# KiCad board alu_ctrl.kicad_pcb
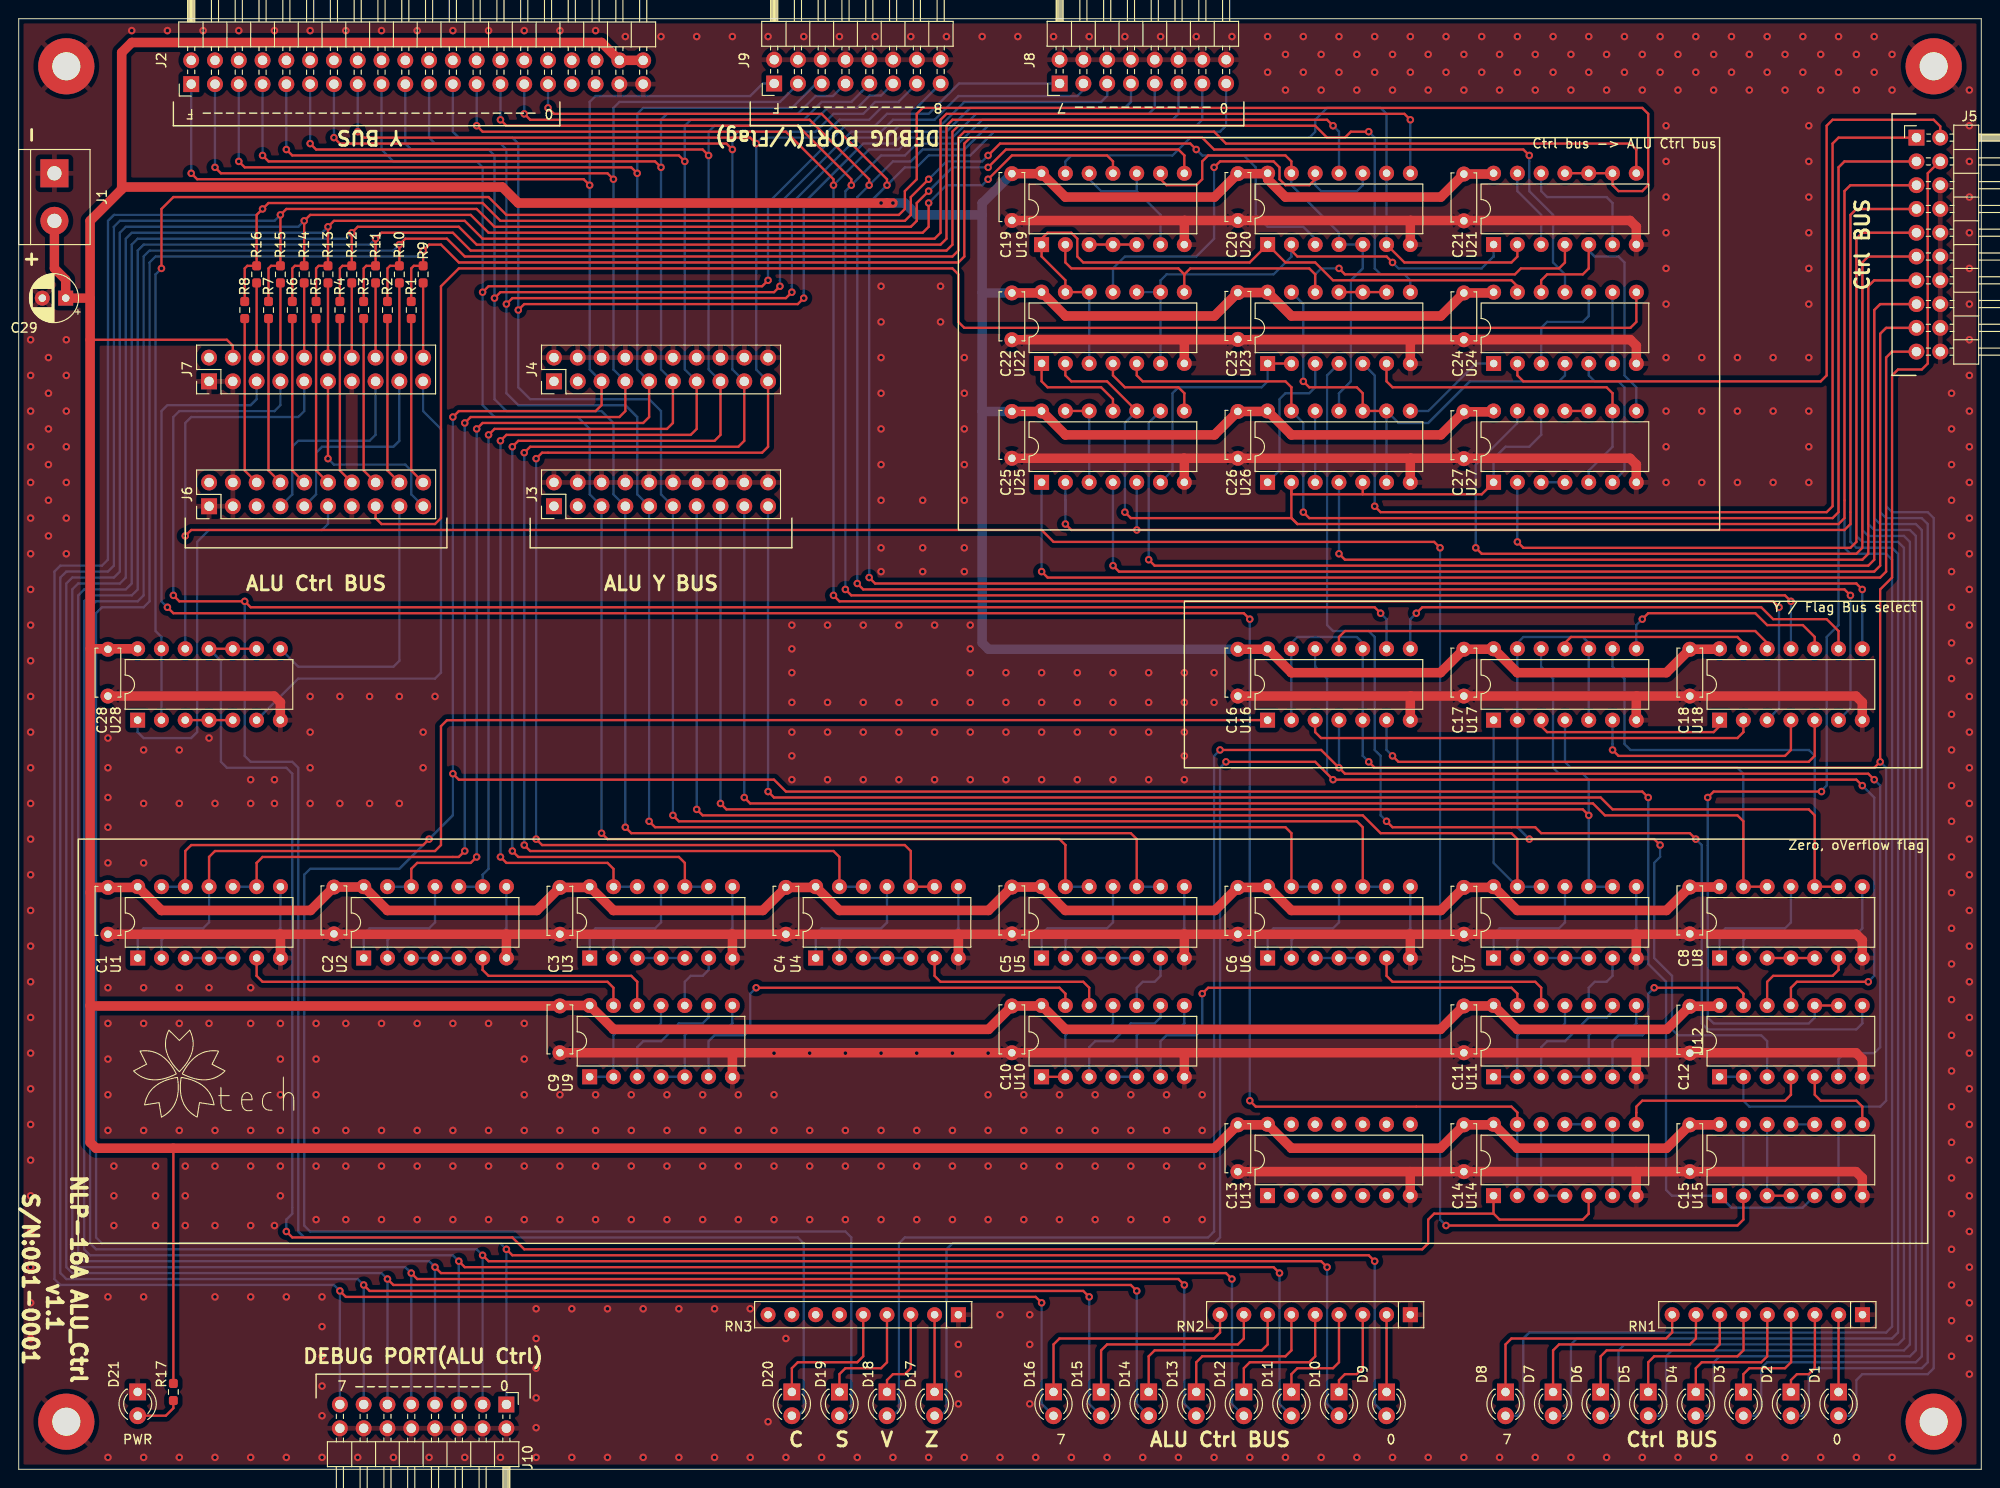
[diagram p0: board, top side]
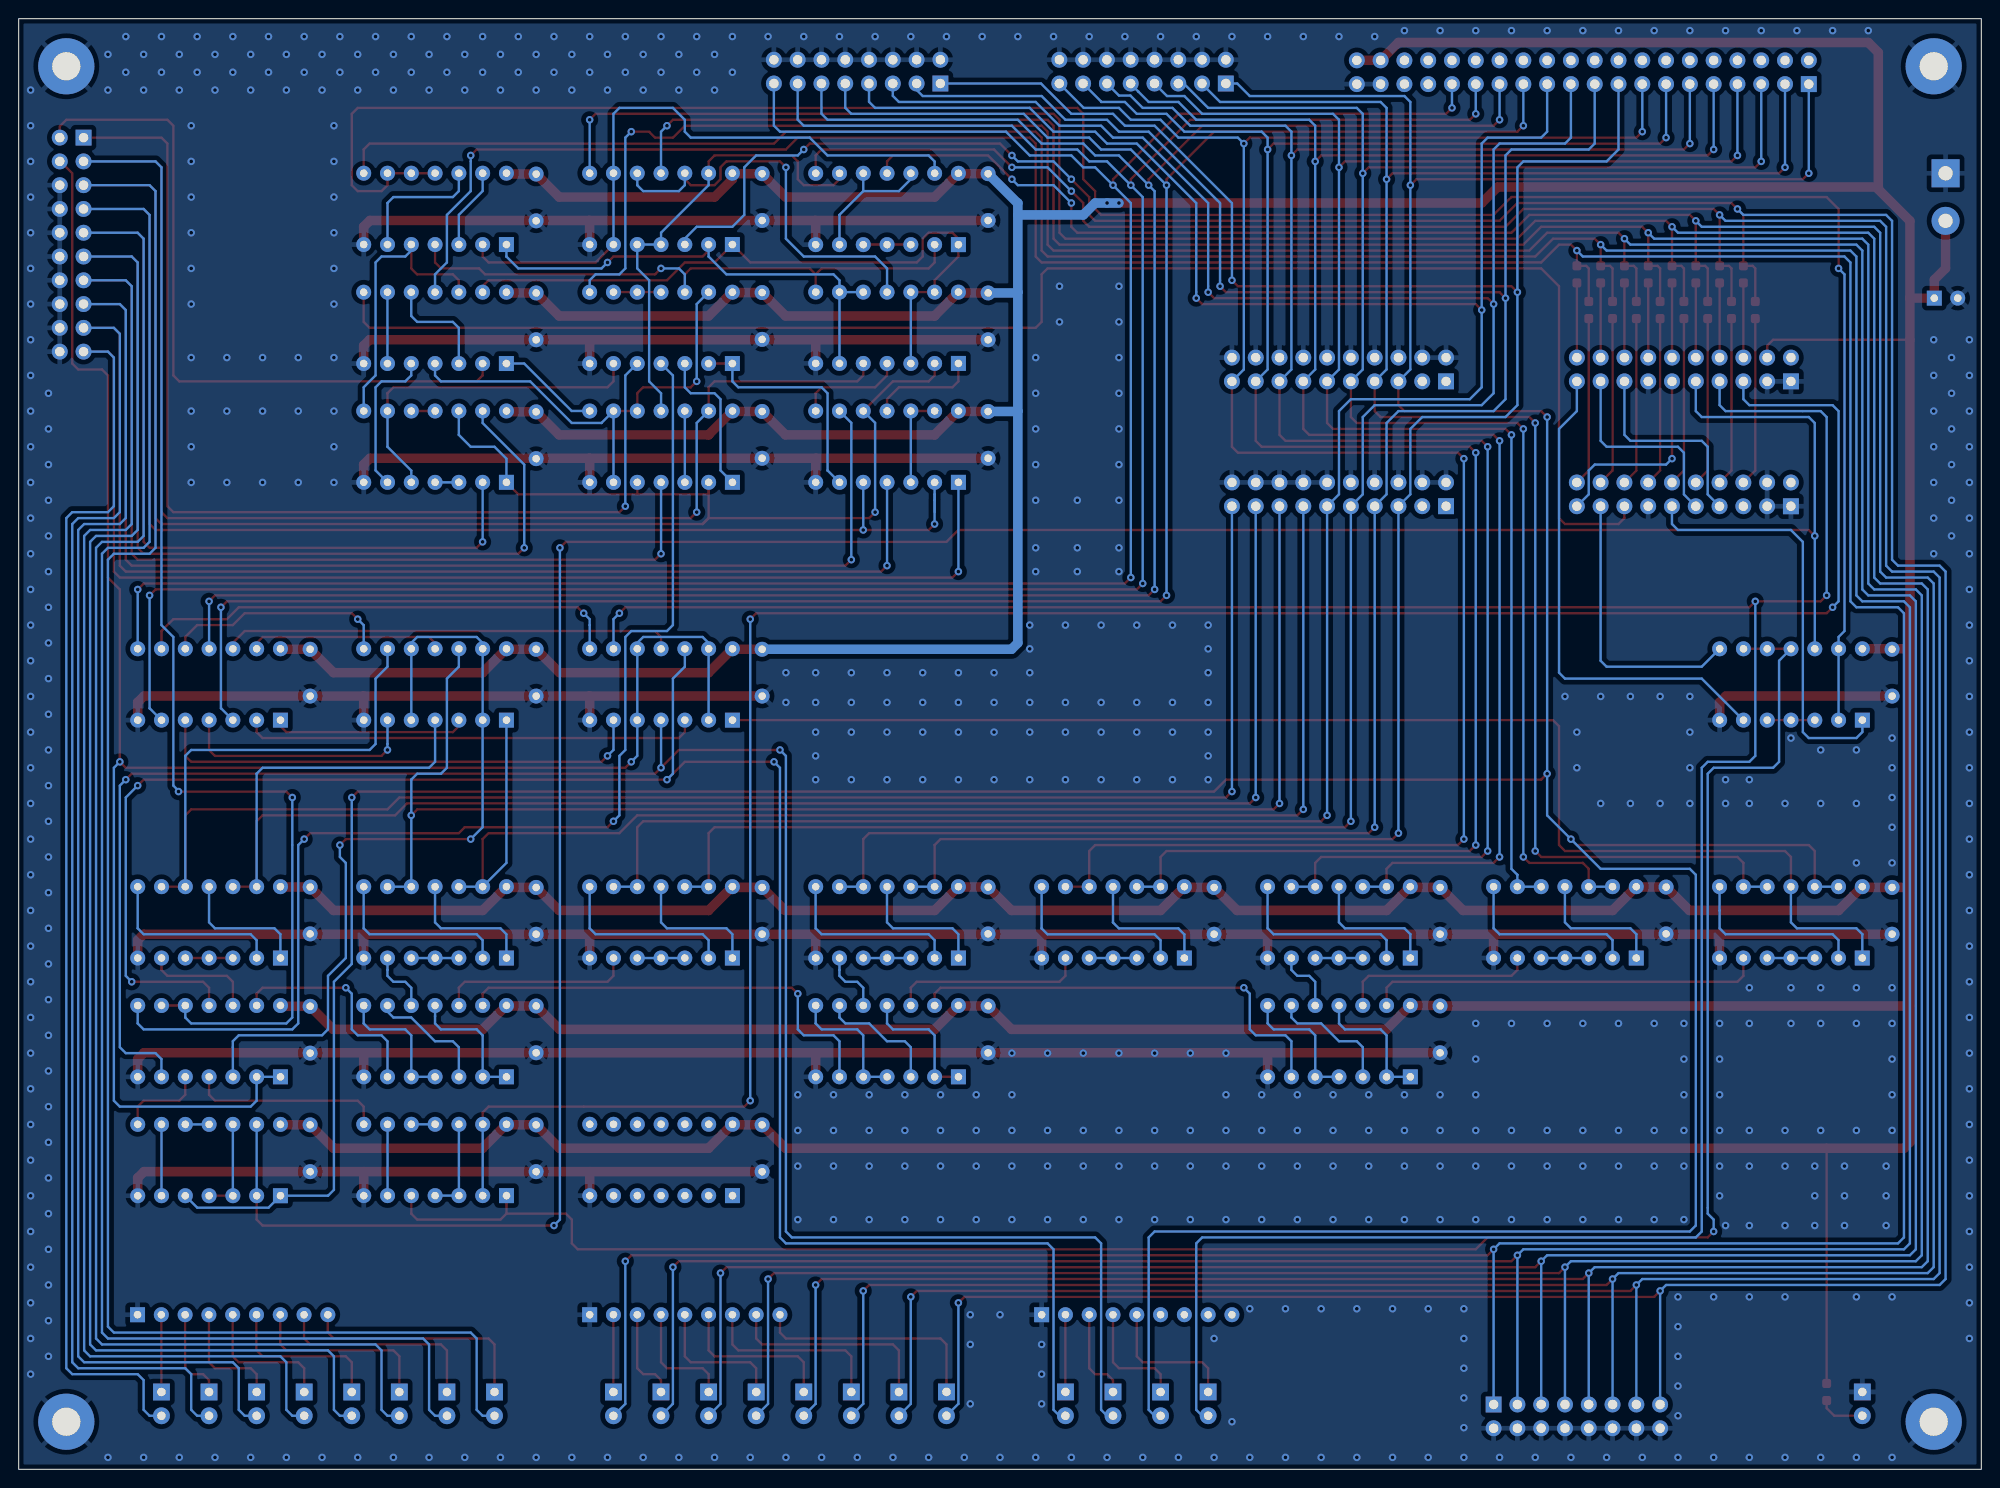
[diagram p1: board, bottom side, seen from below]

Outline 209.55 x 154.94 mm; copper layers: Top, Bottom. Coordinates in mm from the lower left corner of the outline.
Outline path: 0,154.94 0,0 209.55,0 209.55,154.94 0,154.94
Stack: Top 0.035mm / dielectric 1.51mm FR4 er 4.5 / Bottom 0.035mm

## Placement (name value [footprint] x y rotation side)
C1  0.1u  [C_Disc_D5.0mm_W2.5mm_P5.00mm]  9.52 57.15 90 top
C2  0.1u  [C_Disc_D5.0mm_W2.5mm_P5.00mm]  33.66 57.19 90 top
C3  0.1u  [C_Disc_D5.0mm_W2.5mm_P5.00mm]  57.78 57.15 90 top
C4  0.1u  [C_Disc_D5.0mm_W2.5mm_P5.00mm]  81.91 57.15 90 top
C5  0.1u  [C_Disc_D5.0mm_W2.5mm_P5.00mm]  106.05 57.19 90 top
C6  0.1u  [C_Disc_D5.0mm_W2.5mm_P5.00mm]  130.17 57.15 90 top
C7  0.1u  [C_Disc_D5.0mm_W2.5mm_P5.00mm]  154.31 57.15 90 top
C8  0.1u  [C_Disc_D5.0mm_W2.5mm_P5.00mm]  178.44 57.19 90 top
C9  0.1u  [C_Disc_D5.0mm_W2.5mm_P5.00mm]  57.78 44.49 90 top
C10  0.1u  [C_Disc_D5.0mm_W2.5mm_P5.00mm]  106.05 44.49 90 top
C11  0.1u  [C_Disc_D5.0mm_W2.5mm_P5.00mm]  154.31 44.49 90 top
C12  0.1u  [C_Disc_D5.0mm_W2.5mm_P5.00mm]  178.44 44.45 90 top
C13  0.1u  [C_Disc_D5.0mm_W2.5mm_P5.00mm]  130.17 31.79 90 top
C14  0.1u  [C_Disc_D5.0mm_W2.5mm_P5.00mm]  154.31 31.79 90 top
C15  0.1u  [C_Disc_D5.0mm_W2.5mm_P5.00mm]  178.44 31.79 90 top
C16  0.1u  [C_Disc_D5.0mm_W2.5mm_P5.00mm]  130.17 82.59 90 top
C17  0.1u  [C_Disc_D5.0mm_W2.5mm_P5.00mm]  154.31 82.59 90 top
C18  0.1u  [C_Disc_D5.0mm_W2.5mm_P5.00mm]  178.44 82.59 90 top
C19  0.1u  [C_Disc_D5.0mm_W2.5mm_P5.00mm]  106.05 133.39 90 top
C20  0.1u  [C_Disc_D5.0mm_W2.5mm_P5.00mm]  130.17 133.39 90 top
C21  0.1u  [C_Disc_D5.0mm_W2.5mm_P5.00mm]  154.31 133.35 90 top
C22  0.1u  [C_Disc_D5.0mm_W2.5mm_P5.00mm]  106.05 120.65 90 top
C23  0.1u  [C_Disc_D5.0mm_W2.5mm_P5.00mm]  130.17 120.69 90 top
C24  0.1u  [C_Disc_D5.0mm_W2.5mm_P5.00mm]  154.31 120.65 90 top
C25  0.1u  [C_Disc_D5.0mm_W2.5mm_P5.00mm]  106.05 107.99 90 top
C26  0.1u  [C_Disc_D5.0mm_W2.5mm_P5.00mm]  130.17 107.99 90 top
C27  0.1u  [C_Disc_D5.0mm_W2.5mm_P5.00mm]  154.31 107.95 90 top
C28  0.1u  [C_Disc_D5.0mm_W2.5mm_P5.00mm]  9.52 82.59 90 top
C29  100u  [CP_Radial_D5.0mm_P2.50mm]  5.02 125.09 180 top
D1  LED  [LED_D3.0mm]  194.31 8.25 270 top
D2  LED  [LED_D3.0mm]  189.23 8.25 270 top
D3  LED  [LED_D3.0mm]  184.15 8.25 270 top
D4  LED  [LED_D3.0mm]  179.07 8.25 270 top
D5  LED  [LED_D3.0mm]  173.99 8.25 270 top
D6  LED  [LED_D3.0mm]  168.91 8.25 270 top
D7  LED  [LED_D3.0mm]  163.83 8.25 270 top
D8  LED  [LED_D3.0mm]  158.75 8.25 270 top
D9  LED  [LED_D3.0mm]  146.05 8.25 270 top
D10  LED  [LED_D3.0mm]  140.97 8.26 270 top
D11  LED  [LED_D3.0mm]  135.89 8.25 270 top
D12  LED  [LED_D3.0mm]  130.81 8.25 270 top
D13  LED  [LED_D3.0mm]  125.73 8.26 270 top
D14  LED  [LED_D3.0mm]  120.65 8.26 270 top
D15  LED  [LED_D3.0mm]  115.57 8.25 270 top
D16  LED  [LED_D3.0mm]  110.49 8.26 270 top
D17  LED  [LED_D3.0mm]  97.79 8.26 270 top
D18  LED  [LED_D3.0mm]  92.71 8.26 270 top
D19  LED  [LED_D3.0mm]  87.63 8.25 270 top
D20  LED  [LED_D3.0mm]  82.55 8.26 270 top
D21  LED  [LED_D3.0mm]  12.7 8.26 270 top
G***  -  [LOGO]  21.59 41.91 0 top
H1  MountingHole_Pad  [MountingHole_3mm_Pad]  5.08 149.86 0 top
H2  MountingHole_Pad  [MountingHole_3mm_Pad]  204.47 149.86 0 top
H3  MountingHole_Pad  [MountingHole_3mm_Pad]  5.08 5.08 0 top
H4  MountingHole_Pad  [MountingHole_3mm_Pad]  204.47 5.08 0 top
J1  Screw_Terminal_01x02  [TerminalBlock_bornier-2_P5.08mm]  3.81 138.43 270 top
J2  Conn_02x20_Odd_Even  [PinHeader_2x20_P2.54mm_Horizontal]  18.42 147.95 90 top
J3  Conn_02x10_Counter_Clockwise  [PinHeader_2x10_P2.54mm_Vertical]  57.15 102.87 90 top
J4  Conn_02x10_Counter_Clockwise  [PinHeader_2x10_P2.54mm_Vertical]  57.15 116.2 90 top
J5  Conn_02x10_Counter_Clockwise  [PinHeader_2x10_P2.54mm_Horizontal]  202.63 142.24 0 top
J6  Conn_02x10_Counter_Clockwise  [PinHeader_2x10_P2.54mm_Vertical]  20.32 102.86 90 top
J7  Conn_02x10_Counter_Clockwise  [PinHeader_2x10_P2.54mm_Vertical]  20.32 116.2 90 top
J8  Conn_02x08_Odd_Even  [PinHeader_2x08_P2.54mm_Horizontal]  111.14 148.02 90 top
J9  Conn_02x08_Odd_Even  [PinHeader_2x08_P2.54mm_Horizontal]  80.66 148.02 90 top
J10  Conn_02x08_Odd_Even  [PinHeader_2x08_P2.54mm_Horizontal]  52.07 6.92 270 top
R1  22  [R_0603_1608Metric_Pad0.98x0.95mm_HandSolder]  41.91 123.82 90 top
R2  22  [R_0603_1608Metric_Pad0.98x0.95mm_HandSolder]  39.37 123.82 90 top
R3  22  [R_0603_1608Metric_Pad0.98x0.95mm_HandSolder]  36.83 123.82 90 top
R4  22  [R_0603_1608Metric_Pad0.98x0.95mm_HandSolder]  34.29 123.82 90 top
R5  22  [R_0603_1608Metric_Pad0.98x0.95mm_HandSolder]  31.75 123.82 90 top
R6  22  [R_0603_1608Metric_Pad0.98x0.95mm_HandSolder]  29.21 123.82 90 top
R7  22  [R_0603_1608Metric_Pad0.98x0.95mm_HandSolder]  26.67 123.82 90 top
R8  22  [R_0603_1608Metric_Pad0.98x0.95mm_HandSolder]  24.13 123.82 90 top
R9  22  [R_0603_1608Metric_Pad0.98x0.95mm_HandSolder]  43.18 127.63 90 top
R10  22  [R_0603_1608Metric_Pad0.98x0.95mm_HandSolder]  40.64 127.63 90 top
R11  22  [R_0603_1608Metric_Pad0.98x0.95mm_HandSolder]  38.1 127.63 90 top
R12  22  [R_0603_1608Metric_Pad0.98x0.95mm_HandSolder]  35.56 127.63 90 top
R13  22  [R_0603_1608Metric_Pad0.98x0.95mm_HandSolder]  33.02 127.63 90 top
R14  22  [R_0603_1608Metric_Pad0.98x0.95mm_HandSolder]  30.48 127.63 90 top
R15  22  [R_0603_1608Metric_Pad0.98x0.95mm_HandSolder]  27.94 127.63 90 top
R16  22  [R_0603_1608Metric_Pad0.98x0.95mm_HandSolder]  25.4 127.63 90 top
R17  470  [R_0603_1608Metric_Pad0.98x0.95mm_HandSolder]  16.51 8.25 270 top
RN1  R_Network08  [R_Array_SIP9]  196.87 16.51 180 top
RN2  R_Network08  [R_Array_SIP9]  148.59 16.51 180 top
RN3  R_Network08  [R_Array_SIP9]  100.33 16.51 180 top
U1  CD74HC00  [DIP-14_W7.62mm]  12.71 54.61 90 top
U2  CD74HC00  [DIP-14_W7.62mm]  36.83 54.61 90 top
U3  CD74HC00  [DIP-14_W7.62mm]  60.97 54.61 90 top
U4  CD74HC00  [DIP-14_W7.62mm]  85.09 54.61 90 top
U5  CD74HC00  [DIP-14_W7.62mm]  109.22 54.61 90 top
U6  CD74HC00  [DIP-14_W7.62mm]  133.35 54.61 90 top
U7  CD74HC00  [DIP-14_W7.62mm]  157.47 54.61 90 top
U8  CD74HC00  [DIP-14_W7.62mm]  181.6 54.61 90 top
U9  CD74HC00  [DIP-14_W7.62mm]  60.96 41.92 90 top
U10  CD74HC00  [DIP-14_W7.62mm]  109.22 41.92 90 top
U11  CD74HC00  [DIP-14_W7.62mm]  157.47 41.92 90 top
U12  CD74HC00  [DIP-14_W7.62mm]  181.6 41.92 90 top
U13  CD74HC00  [DIP-14_W7.62mm]  133.34 29.23 90 top
U14  CD74HC00  [DIP-14_W7.62mm]  157.47 29.23 90 top
U15  CD74HC00  [DIP-14_W7.62mm]  181.6 29.22 90 top
U16  CD74HC00  [DIP-14_W7.62mm]  133.34 80.02 90 top
U17  CD74HC00  [DIP-14_W7.62mm]  157.47 80.02 90 top
U18  CD74HC00  [DIP-14_W7.62mm]  181.6 80.02 90 top
U19  CD74HC00  [DIP-14_W7.62mm]  109.22 130.81 90 top
U20  CD74HC00  [DIP-14_W7.62mm]  133.35 130.82 90 top
U21  CD74HC00  [DIP-14_W7.62mm]  157.47 130.82 90 top
U22  CD74HC00  [DIP-14_W7.62mm]  109.22 118.12 90 top
U23  CD74HC00  [DIP-14_W7.62mm]  133.35 118.11 90 top
U24  CD74HC00  [DIP-14_W7.62mm]  157.48 118.11 90 top
U25  CD74HC00  [DIP-14_W7.62mm]  109.22 105.42 90 top
U26  CD74HC00  [DIP-14_W7.62mm]  133.34 105.42 90 top
U27  CD74HC00  [DIP-14_W7.62mm]  157.47 105.42 90 top
U28  CD74HC00  [DIP-14_W7.62mm]  12.69 80.02 90 top

## Footprints (pads in the part's own frame, mm; a bottom-side part is the same pattern mirrored in y, then rotated)
C_Disc_D5.0mm_W2.5mm_P5.00mm
  round 1.6 hole 0.8: 1(0,0) 2(5,0)
CP_Radial_D5.0mm_P2.50mm
  rect 1.6x1.6 hole 0.8: 1(0,0)
  round 1.6 hole 0.8: 2(2.5,0)
DIP-14_W7.62mm
  rect 1.6x1.6 hole 0.8: 1(0,0)
  oval 1.6x1.6 hole 0.8: 2(0,-2.54) 3(0,-5.08) 4(0,-7.62) 5(0,-10.16) 6(0,-12.7) 7(0,-15.24) 8(7.62,-15.24) 9(7.62,-12.7) 10(7.62,-10.16) 11(7.62,-7.62) 12(7.62,-5.08) 13(7.62,-2.54) 14(7.62,0)
LED_D3.0mm
  rect 1.8x1.8 hole 0.9: 1(0,0)
  round 1.8 hole 0.9: 2(2.54,0)
MountingHole_3mm_Pad
  round 6 hole 3: 1(0,0)
PinHeader_2x08_P2.54mm_Horizontal
  rect 1.7x1.7 hole 1: 1(0,0)
  oval 1.7x1.7 hole 1: 2(2.54,0) 3(0,-2.54) 4(2.54,-2.54) 5(0,-5.08) 6(2.54,-5.08) 7(0,-7.62) 8(2.54,-7.62) 9(0,-10.16) 10(2.54,-10.16) 11(0,-12.7) 12(2.54,-12.7) 13(0,-15.24) 14(2.54,-15.24) 15(0,-17.78) 16(2.54,-17.78)
PinHeader_2x10_P2.54mm_Horizontal
  rect 1.7x1.7 hole 1: 1(0,0)
  oval 1.7x1.7 hole 1: 2(2.54,0) 3(0,-2.54) 4(2.54,-2.54) 5(0,-5.08) 6(2.54,-5.08) 7(0,-7.62) 8(2.54,-7.62) 9(0,-10.16) 10(2.54,-10.16) 11(0,-12.7) 12(2.54,-12.7) 13(0,-15.24) 14(2.54,-15.24) 15(0,-17.78) 16(2.54,-17.78) 17(0,-20.32) 18(2.54,-20.32) 19(0,-22.86) 20(2.54,-22.86)
PinHeader_2x10_P2.54mm_Vertical
  rect 1.7x1.7 hole 1: 1(0,0)
  oval 1.7x1.7 hole 1: 2(2.54,0) 3(0,-2.54) 4(2.54,-2.54) 5(0,-5.08) 6(2.54,-5.08) 7(0,-7.62) 8(2.54,-7.62) 9(0,-10.16) 10(2.54,-10.16) 11(0,-12.7) 12(2.54,-12.7) 13(0,-15.24) 14(2.54,-15.24) 15(0,-17.78) 16(2.54,-17.78) 17(0,-20.32) 18(2.54,-20.32) 19(0,-22.86) 20(2.54,-22.86)
PinHeader_2x20_P2.54mm_Horizontal
  rect 1.7x1.7 hole 1: 1(0,0)
  oval 1.7x1.7 hole 1: 2(2.54,0) 3(0,-2.54) 4(2.54,-2.54) 5(0,-5.08) 6(2.54,-5.08) 7(0,-7.62) 8(2.54,-7.62) 9(0,-10.16) 10(2.54,-10.16) 11(0,-12.7) 12(2.54,-12.7) 13(0,-15.24) 14(2.54,-15.24) 15(0,-17.78) 16(2.54,-17.78) 17(0,-20.32) 18(2.54,-20.32) 19(0,-22.86) 20(2.54,-22.86) 21(0,-25.4) 22(2.54,-25.4) 23(0,-27.94) 24(2.54,-27.94) 25(0,-30.48) 26(2.54,-30.48) 27(0,-33.02) 28(2.54,-33.02) 29(0,-35.56) 30(2.54,-35.56) 31(0,-38.1) 32(2.54,-38.1) 33(0,-40.64) 34(2.54,-40.64) 35(0,-43.18) 36(2.54,-43.18) 37(0,-45.72) 38(2.54,-45.72) 39(0,-48.26) 40(2.54,-48.26)
R_0603_1608Metric_Pad0.98x0.95mm_HandSolder
  rrect 0.975x0.95 smd: 1(-0.912,0) 2(0.912,0)
R_Array_SIP9
  rect 1.6x1.6 hole 0.8: 1(0,0)
  oval 1.6x1.6 hole 0.8: 2(2.54,0) 3(5.08,0) 4(7.62,0) 5(10.16,0) 6(12.7,0) 7(15.24,0) 8(17.78,0) 9(20.32,0)
TerminalBlock_bornier-2_P5.08mm
  rect 3x3 hole 1.52: 1(0,0)
  round 3 hole 1.52: 2(5.08,0)

## Nets
GND: C1.1 C2.1 C3.1 C4.1 C5.1 C6.1 C7.1 C8.1 C9.1 C10.1 C11.1 C12.1 C13.1 C14.1 C15.1 C16.1 C17.1 C18.1 C19.1 C20.1 C21.1 C22.1 C23.1 C24.1 C25.1 C26.1 C27.1 C28.1 C29.2 D21.1 H1.1 H2.1 H3.1 H4.1 J1.1 J2.37 J2.39 J3.2 J3.4 J3.6 J3.8 J3.10 J3.12 J3.14 J3.16 J3.18 J3.20 J4.2 J4.4 J4.6 J4.8 J4.10 J4.12 J4.14 J4.16 J4.18 J4.20 J5.6 J5.8 J5.10 J5.12 J5.14 J5.16 J5.18 J5.20 J6.1 J6.3 J6.4 J6.13 J7.1 J7.3 J7.13 J8.2 J8.4 J8.6 J8.8 J8.10 J8.12 J8.14 J8.16 J9.2 J9.4 J9.6 J9.8 J9.10 J9.12 J9.14 J9.16 J10.2 J10.4 J10.6 J10.8 J10.10 J10.12 J10.14 J10.16 RN1.1 RN2.1 RN3.1 U1.7 U2.7 U3.7 U4.7 U5.7 U6.7 U7.7 U8.7 U9.7 U10.7 U11.7 U12.7 U13.7 U14.7 U15.7 U16.7 U17.7 U18.7 U19.7 U20.7 U21.7 U22.7 U23.7 U24.7 U25.7 U26.7 U27.7 U28.7
VCC: C1.2 C2.2 C3.2 C4.2 C5.2 C6.2 C7.2 C8.2 C9.2 C10.2 C11.2 C12.2 C13.2 C14.2 C15.2 C16.2 C17.2 C18.2 C19.2 C20.2 C21.2 C22.2 C23.2 C24.2 C25.2 C26.2 C27.2 C28.2 C29.1 J1.2 J2.38 J2.40 J7.4 R17.1 U1.14 U2.14 U3.14 U4.14 U5.14 U6.14 U7.14 U8.14 U9.14 U10.14 U11.14 U12.14 U13.14 U14.14 U15.14 U16.14 U17.14 U18.14 U19.14 U20.14 U21.14 U22.14 U23.14 U24.14 U25.14 U26.14 U27.14 U28.14
ADD/SUB: D9.2 J10.1 R1.2 R9.2 U24.11
ALU_Ctrl1: D10.2 J10.3 R2.2 R10.2 U21.8
ALU_Ctrl2: D11.2 J10.5 R3.2 R11.2 U23.8
ALU_Ctrl3: D12.2 J10.7 R4.2 R12.2 U20.11
ALU_Ctrl4: D13.2 J10.9 R5.2 R13.2 U20.8
ALU_Ctrl5: D14.2 J10.11 R6.2 R14.2 U19.11
ALU_Ctrl6: D15.2 J10.13 R7.2 R15.2 U19.8
ALU_Ctrl7: D16.2 J10.15 R8.2 R16.2 U20.3
B_SIGN: J7.5 U14.2 U14.13
C: D20.2 J7.7 U16.9
C0: U20.10 U20.12 U22.11
C1: U20.2 U21.1 U22.6 U22.9 U22.10
C2: U19.9 U20.4 U20.5 U20.13 U26.11
C3: U24.1 U26.8
C4: U21.5 U24.12 U27.8
C5: U24.5 U27.6
carry_flag: J5.2 U24.2
Cin: J6.15 U24.8
Ctrl0: D1.2 J5.19 U25.1
Ctrl1: D2.2 J5.17 U25.4
Ctrl2: D3.2 J5.15 U25.9
Ctrl3: D4.2 J5.13 U26.4
Ctrl4: D5.2 J5.11 U27.13
Ctrl5: D6.2 J5.9 U27.2
Ctrl6: D7.2 J5.7 U25.2 U25.5
Ctrl7: D8.2 J5.5 U22.2 U25.10 U26.2 U26.5 U27.1 U27.12
Ctrl8: J5.3 U12.9 U12.10 U22.5 U26.13
Ctrl9: J5.1 U23.5
Lin: J6.17 U28.8
Lout/A_sign: J7.9 U15.2 U15.13 U28.12
Rin: J7.19 U28.6
ROLL: U21.9 U21.10 U21.11 U28.2 U28.13
Rout: J6.11 U28.1
V: D18.2 U12.6 U16.4
Y_BUS0: J3.19 U8.9 U8.10 U17.9
Y_BUS1: J3.17 U8.12 U8.13 U17.4
Y_BUS2: J3.15 U7.9 U7.10 U17.12
Y_BUS3: J3.13 U7.12 U7.13 U17.1
Y_BUS4: J2.23 J3.11 J8.7 U6.9 U6.10
Y_BUS5: J2.21 J3.9 J8.5 U6.12 U6.13
Y_BUS6: J2.19 J3.7 J8.3 U5.9 U5.10
Y_BUS7: J2.17 J3.5 J8.1 U5.12 U5.13
Y_BUS8: J2.15 J4.19 J9.15 U4.9 U4.10
Y_BUS9: J2.13 J4.17 J9.13 U4.12 U4.13
Y_BUS10: J2.11 J4.15 J9.11 U3.9 U3.10
Y_BUS11: J2.9 J4.13 J9.9 U3.12 U3.13
Y_BUS12: J2.7 J4.11 J9.7 U2.9 U2.10
Y_BUS13: J2.5 J4.9 J9.5 U2.12 U2.13
Y_BUS14: J2.3 J4.7 J9.3 U1.9 U1.10
Y_BUS15: D19.2 J2.1 J4.5 J9.1 U1.12 U1.13 U15.1 U15.5
Y_Flag_BUS0: J2.31 J8.15 U18.8
Y_Flag_BUS1: J2.29 J8.13 U18.6
Y_Flag_BUS2: J2.27 J8.11 U18.11
Y_Flag_BUS3: J2.25 J8.9 U18.3
Y_Flag_sel: J5.4 U12.1 U12.2 U16.2 U16.5 U16.10 U16.13
Z: D17.2 U12.11 U16.12
~{A_sign}: U14.1 U14.5 U28.9 U28.10 U28.11
~{C0}: U19.1 U20.1 U22.3 U22.12 U22.13 U24.13
~{C1}: U19.2 U21.4 U22.8 U23.12
~{C2}: U19.13 U20.6 U20.9 U21.2
~{C3}: U23.13 U24.4 U26.6 U26.9 U26.10
Net-(D1-Pad1): D1.1 RN1.2
Net-(D2-Pad1): D2.1 RN1.3
Net-(D3-Pad1): D3.1 RN1.4
Net-(D4-Pad1): D4.1 RN1.5
Net-(D5-Pad1): D5.1 RN1.6
Net-(D6-Pad1): D6.1 RN1.7
Net-(D7-Pad1): D7.1 RN1.8
Net-(D8-Pad1): D8.1 RN1.9
Net-(D9-Pad1): D9.1 RN2.2
Net-(D10-Pad1): D10.1 RN2.3
Net-(D11-Pad1): D11.1 RN2.4
Net-(D12-Pad1): D12.1 RN2.5
Net-(D13-Pad1): D13.1 RN2.6
Net-(D14-Pad1): D14.1 RN2.7
Net-(D15-Pad1): D15.1 RN2.8
Net-(D16-Pad1): D16.1 RN2.9
Net-(D17-Pad1): D17.1 RN3.2
Net-(D18-Pad1): D18.1 RN3.3
Net-(D19-Pad1): D19.1 RN3.4
Net-(D20-Pad1): D20.1 RN3.5
Net-(D21-Pad2): D21.2 R17.2
Net-(J6-Pad6): J6.6 R8.1
Net-(J6-Pad7): J6.7 J7.15
Net-(J6-Pad8): J6.8 R7.1
Net-(J6-Pad9): J6.9 J7.17
Net-(J6-Pad10): J6.10 R6.1
Net-(J6-Pad12): J6.12 R5.1
Net-(J6-Pad14): J6.14 R4.1
Net-(J6-Pad16): J6.16 R3.1
Net-(J6-Pad18): J6.18 R2.1
Net-(J6-Pad19): J6.19 J7.11
Net-(J6-Pad20): J6.20 R1.1
Net-(J7-Pad6): J7.6 R16.1
Net-(J7-Pad8): J7.8 R15.1
Net-(J7-Pad10): J7.10 R14.1
Net-(J7-Pad12): J7.12 R13.1
Net-(J7-Pad14): J7.14 R12.1
Net-(J7-Pad16): J7.16 R11.1
Net-(J7-Pad18): J7.18 R10.1
Net-(J7-Pad20): J7.20 R9.1
Net-(U1-Pad1): U1.1 U1.11 U16.1
Net-(U1-Pad2): U1.2 U1.8
Net-(U1-Pad3): U1.3 U1.4 U1.5
Net-(U1-Pad6): U1.6 U9.13
Net-(U2-Pad1): U2.1 U2.11
Net-(U2-Pad2): U2.2 U2.8
Net-(U2-Pad3): U2.3 U2.4 U2.5
Net-(U2-Pad6): U2.6 U9.12
Net-(U3-Pad1): U3.1 U3.11
Net-(U3-Pad2): U3.2 U3.8
Net-(U3-Pad3): U3.3 U3.4 U3.5
Net-(U3-Pad6): U3.6 U9.10
Net-(U4-Pad1): U4.1 U4.11
Net-(U4-Pad2): U4.2 U4.8
Net-(U4-Pad3): U4.3 U4.4 U4.5
Net-(U5-Pad1): U5.1 U5.11
Net-(U5-Pad2): U5.2 U5.8
Net-(U5-Pad3): U5.3 U5.4 U5.5
Net-(U6-Pad1): U6.1 U6.11
Net-(U6-Pad2): U6.2 U6.8
Net-(U6-Pad3): U6.3 U6.4 U6.5
Net-(U7-Pad1): U7.1 U7.11
Net-(U7-Pad2): U7.2 U7.8
Net-(U7-Pad3): U7.3 U7.4 U7.5
Net-(U8-Pad1): U8.1 U8.11
Net-(U8-Pad2): U8.2 U8.8
Net-(U8-Pad3): U8.3 U8.4 U8.5
Net-(U9-Pad1): U9.1 U9.2 U9.11
Net-(U9-Pad3): U9.3 U9.9
Net-(U9-Pad4): U9.4 U9.5 U9.8
Net-(U10-Pad1): U10.1 U10.2 U10.11
Net-(U10-Pad3): U10.3 U10.9
Net-(U10-Pad4): U10.4 U10.5 U10.8
Net-(U10-Pad6): U10.6 U11.13
Net-(U10-Pad10): U5.6 U10.10
Net-(U10-Pad12): U4.6 U10.12
Net-(U10-Pad13): U9.6 U10.13
Net-(U11-Pad1): U11.1 U11.2 U11.11
Net-(U11-Pad3): U11.3 U11.9
Net-(U11-Pad4): U11.4 U11.5 U11.8
Net-(U11-Pad6): U11.6 U12.13
Net-(U11-Pad10): U7.6 U11.10
Net-(U11-Pad12): U6.6 U11.12
Net-(U12-Pad3): U12.3 U17.2 U17.5 U17.10 U17.13
Net-(U12-Pad4): U12.4 U14.8
Net-(U12-Pad5): U12.5 U15.8
Net-(U12-Pad8): U12.8 U23.4
Net-(U12-Pad12): U8.6 U12.12
Net-(U14-Pad6): U14.6 U14.9
Net-(U14-Pad10): U14.10 U14.11
Net-(U14-Pad12): U14.3 U14.4 U14.12
Net-(U15-Pad6): U15.6 U15.9
Net-(U15-Pad10): U15.10 U15.11
Net-(U15-Pad12): U15.3 U15.4 U15.12
Net-(U16-Pad3): U16.3 U18.2
Net-(U16-Pad6): U16.6 U18.5
Net-(U16-Pad8): U16.8 U18.9
Net-(U16-Pad11): U16.11 U18.12
Net-(U17-Pad3): U17.3 U18.1
Net-(U17-Pad6): U17.6 U18.4
Net-(U17-Pad8): U17.8 U18.10
Net-(U17-Pad11): U17.11 U18.13
Net-(U19-Pad3): U19.3 U19.4 U19.5
Net-(U19-Pad10): U19.6 U19.10 U19.12
Net-(U21-Pad12): U21.6 U21.12
Net-(U21-Pad13): U21.3 U21.13
Net-(U22-Pad1): U22.1 U25.11
Net-(U22-Pad4): U22.4 U25.8
Net-(U23-Pad1): U23.1 U23.2 U25.6
Net-(U23-Pad3): U23.3 U26.1
Net-(U23-Pad6): U23.6 U27.5 U27.9
Net-(U23-Pad10): U23.9 U23.10 U23.11
Net-(U24-Pad6): U24.6 U24.9
Net-(U24-Pad10): U24.3 U24.10
Net-(U25-Pad12): U25.3 U25.12 U25.13
Net-(U26-Pad12): U26.3 U26.12
Net-(U27-Pad3): U27.3 U27.4
Net-(U27-Pad10): U27.10 U27.11
Net-(U28-Pad3): U28.3 U28.4 U28.5

Pads without a net: J2 2 4 6 8 10 12 14 16 18 20 22 24 26 28 30 32 33 34 35 36; J3 1 3; J4 1 3; J6 2 5; J7 2; RN3 6 7 8 9; U13 1 2 3 4 5 6 8 9 10 11 12 13

## Via types
v1: diameter 0.8, hole 0.4, Top to Bottom, 726 vias
